# Altium PCB 2440PCBV8.PcbDoc (part 1 of 4)
Units mm, origin at the board's own origin, x right, y up, seen from the top; angles counter-clockwise.
Board outline 100.55 x 165.78 mm, 6 copper layers (Top Layer, GND1, SIG1, VCC, GND2, Bottom Layer), stack 1.803 mm thick; 257 components, 255 nets, 1164 pads, 733 vias.
Unrouted connection lines stored in the file: 55.
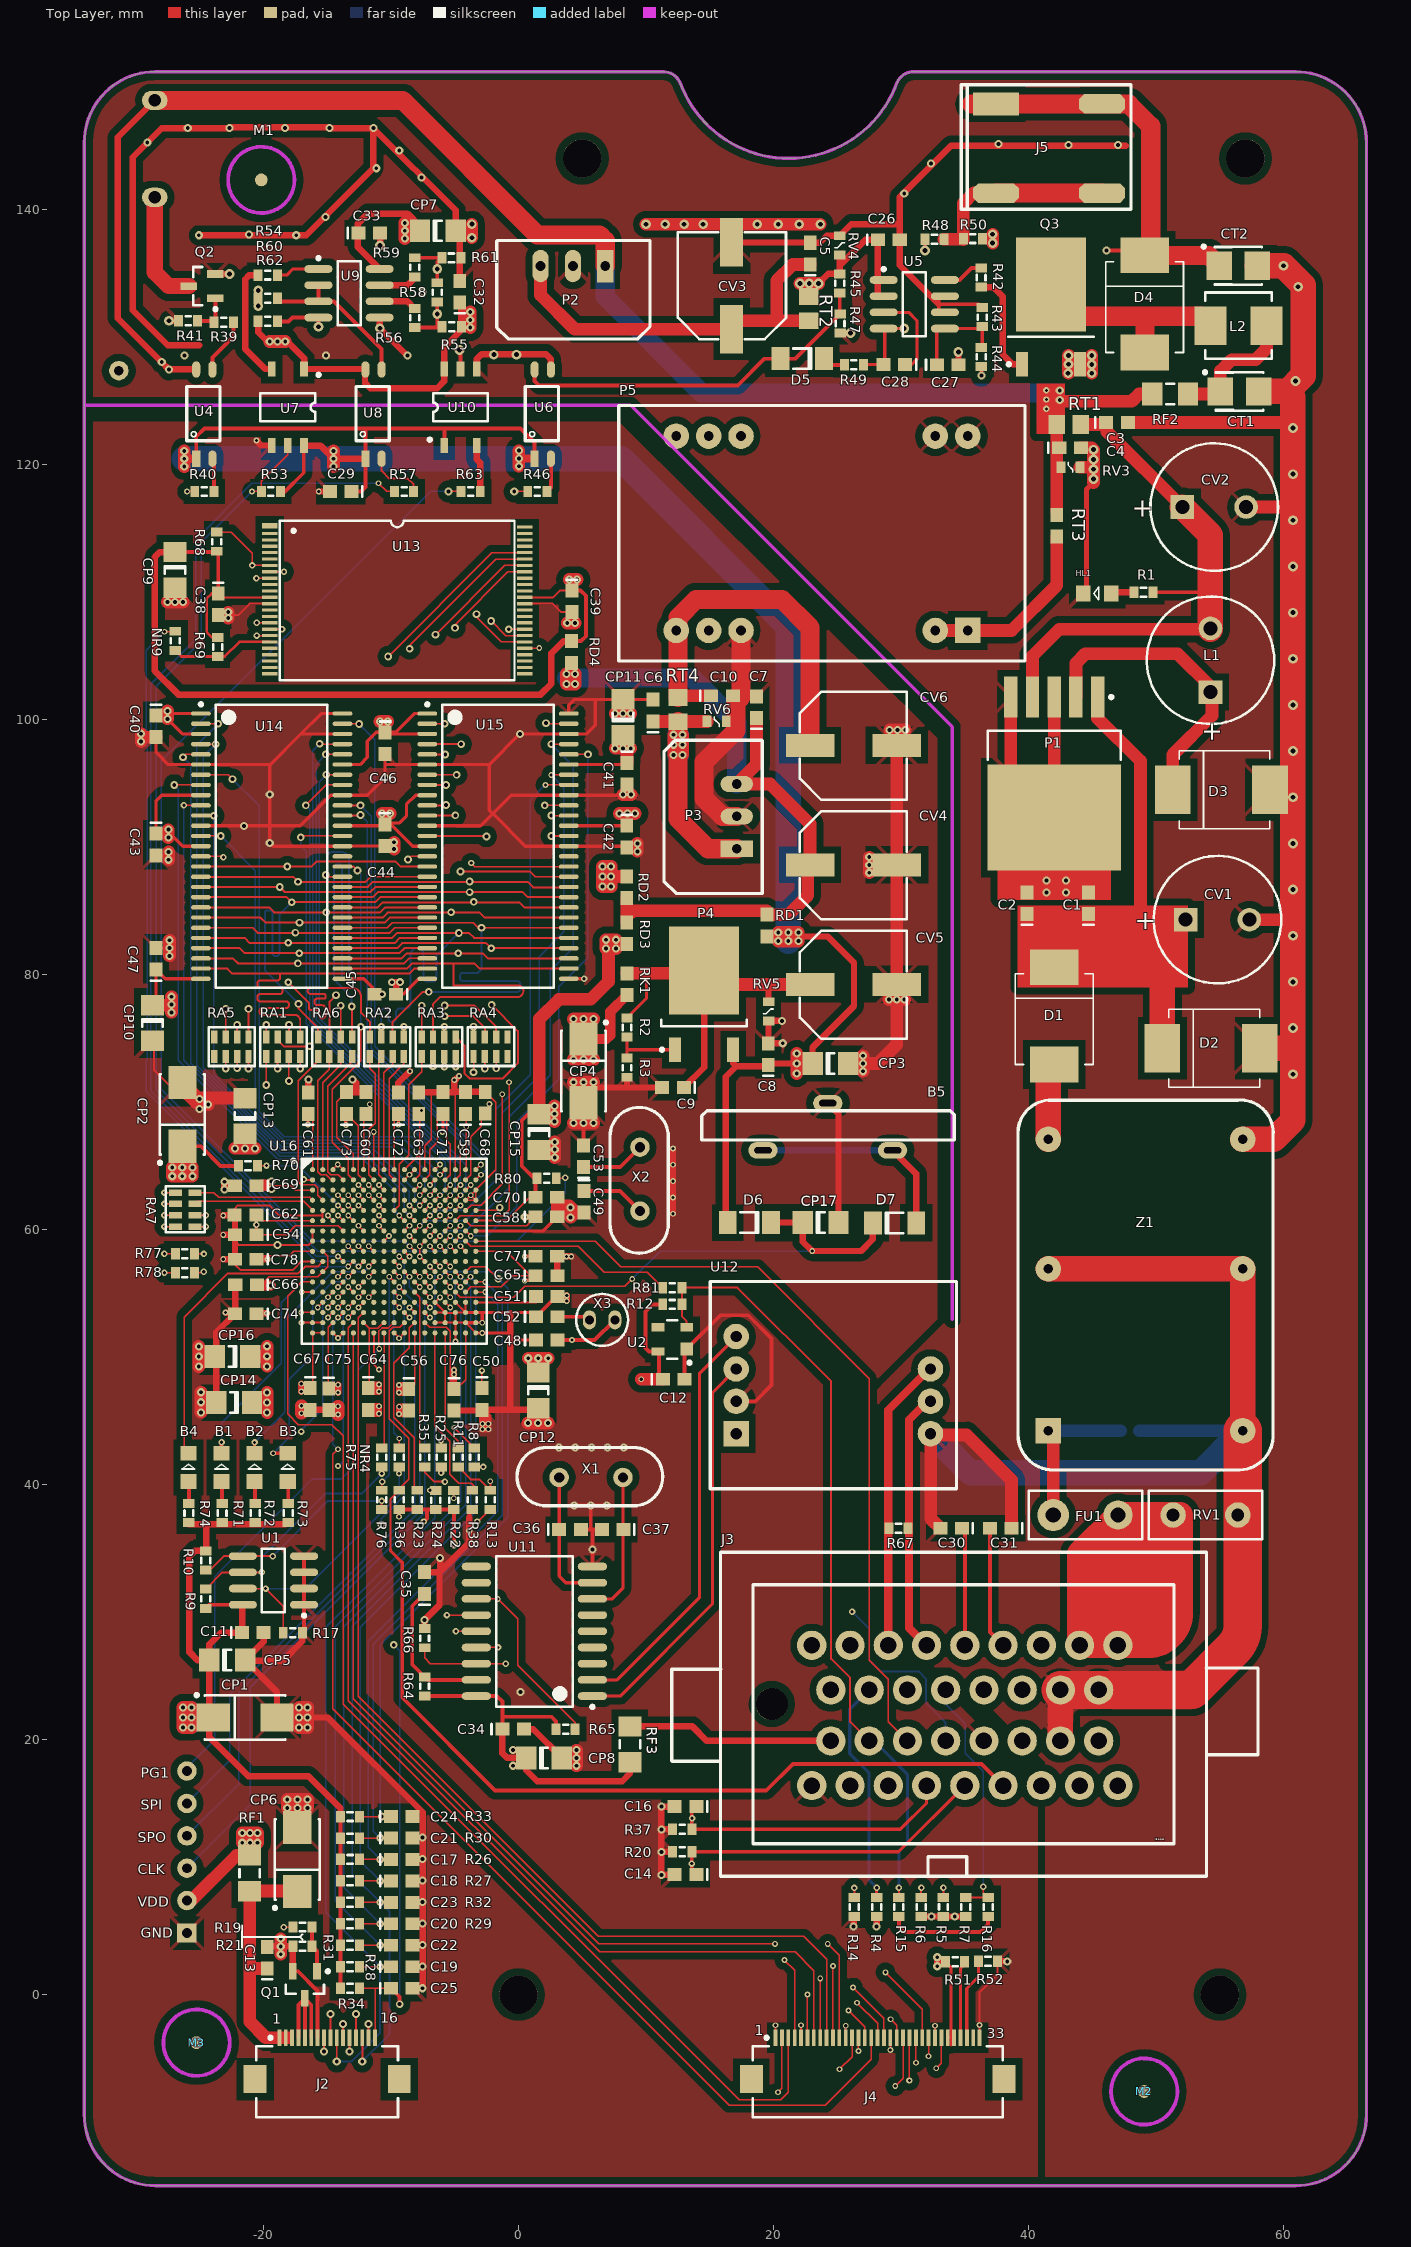
[diagram p0: Top Layer view]
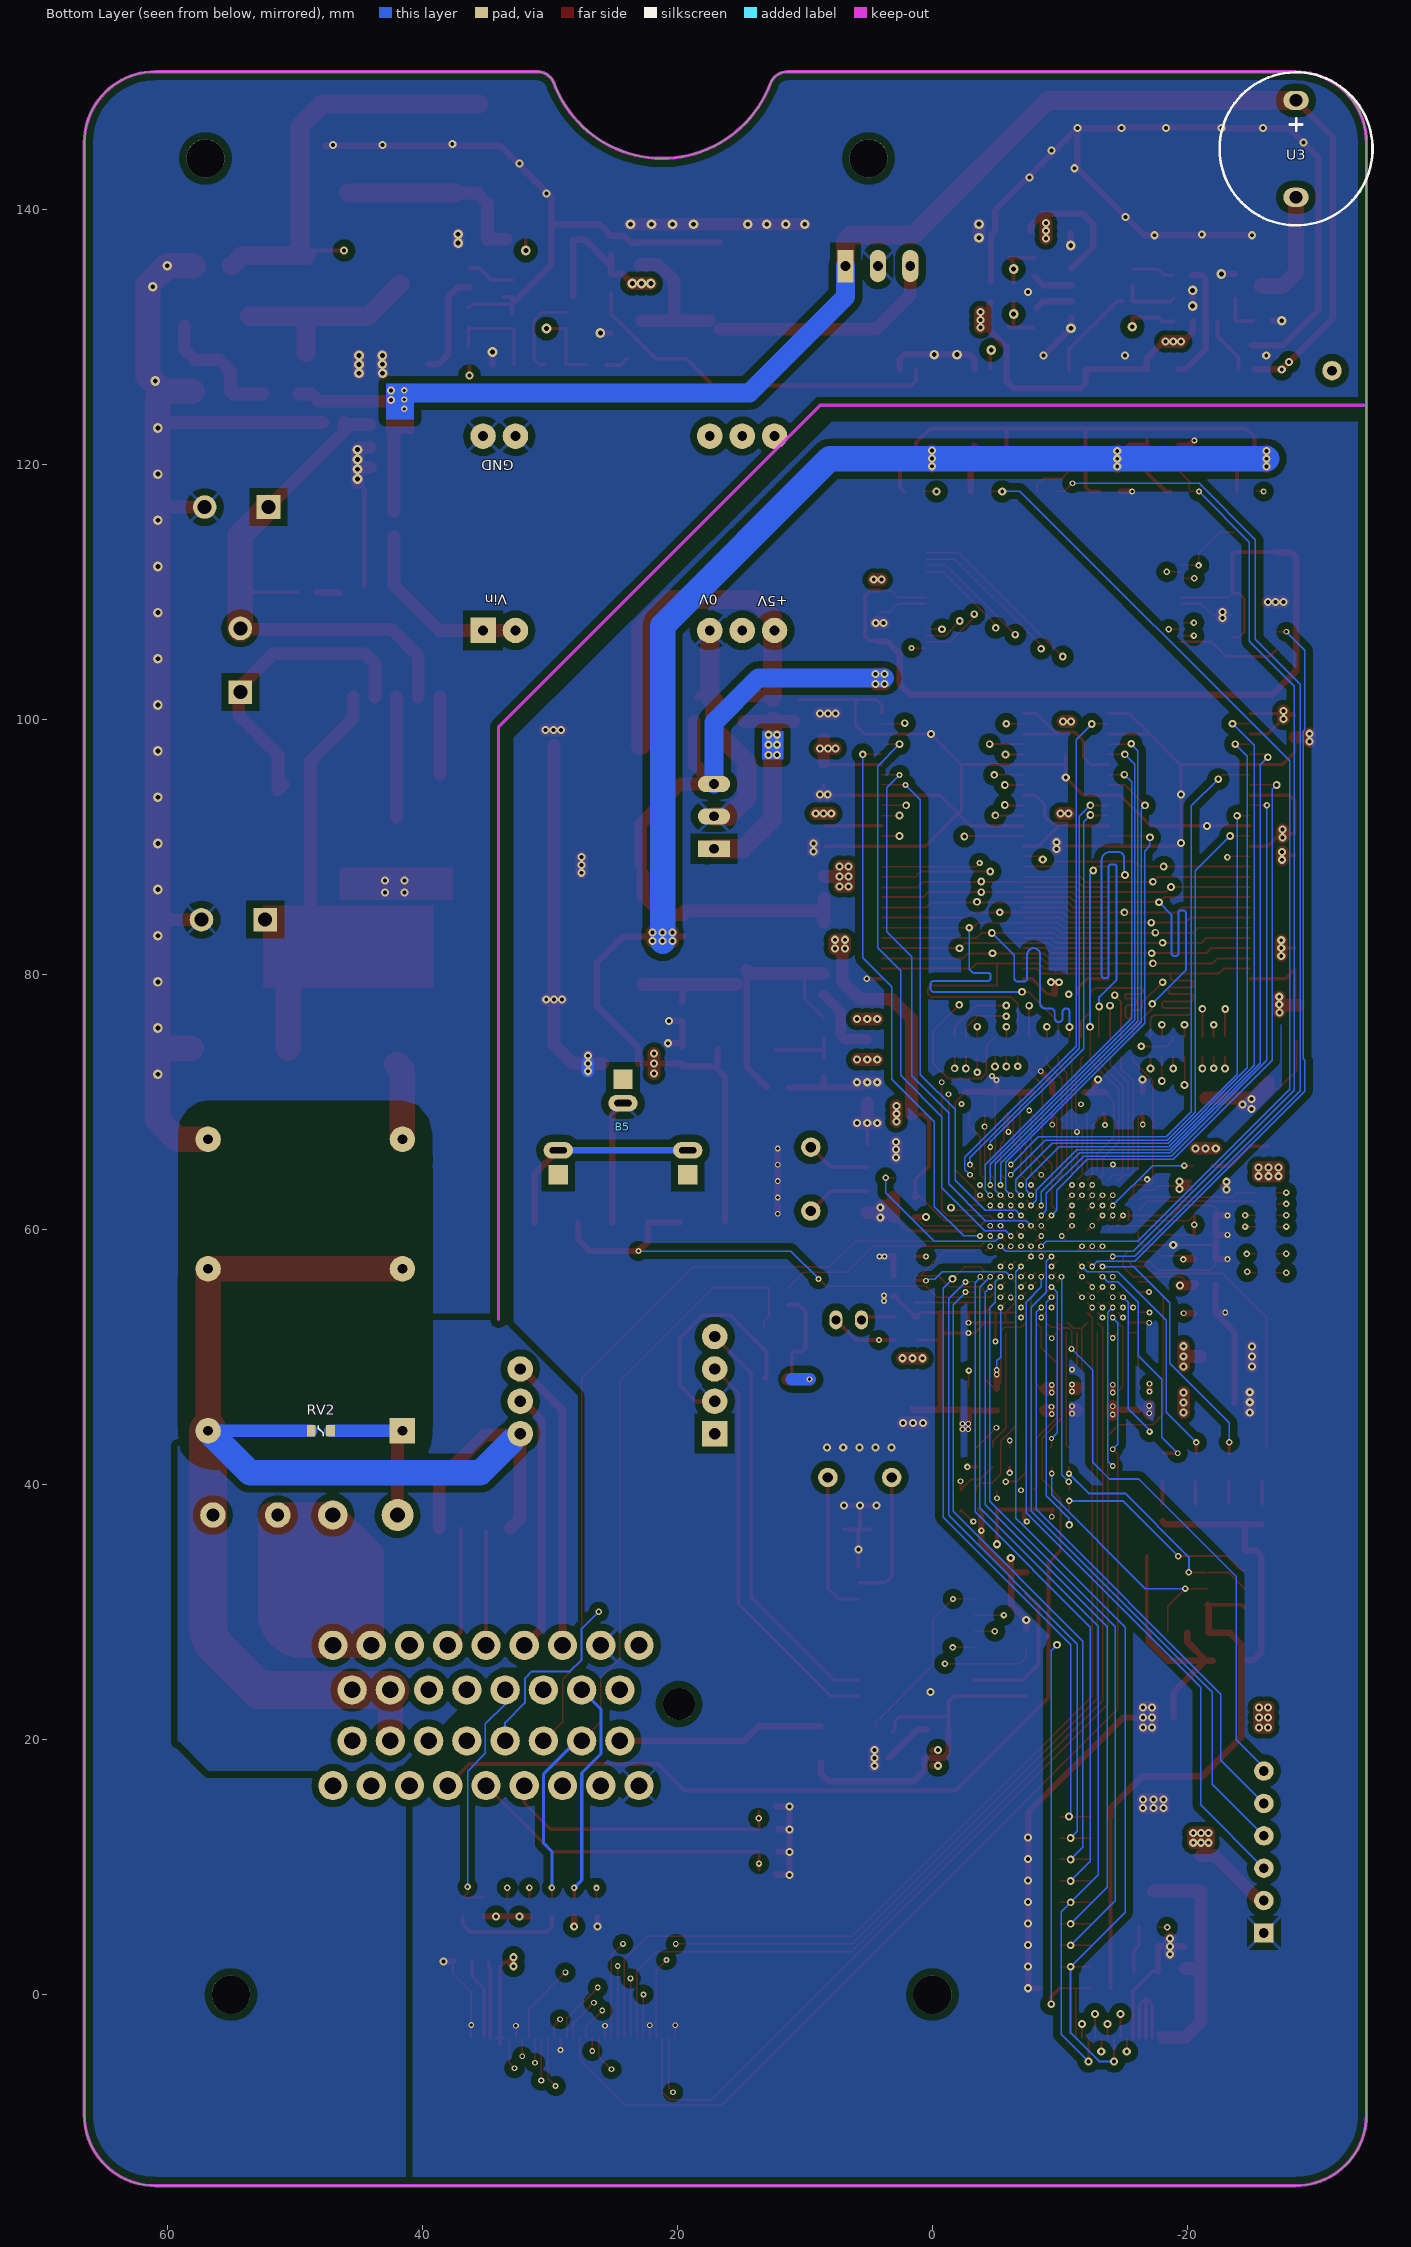
[diagram p1: Bottom Layer view, seen from below]
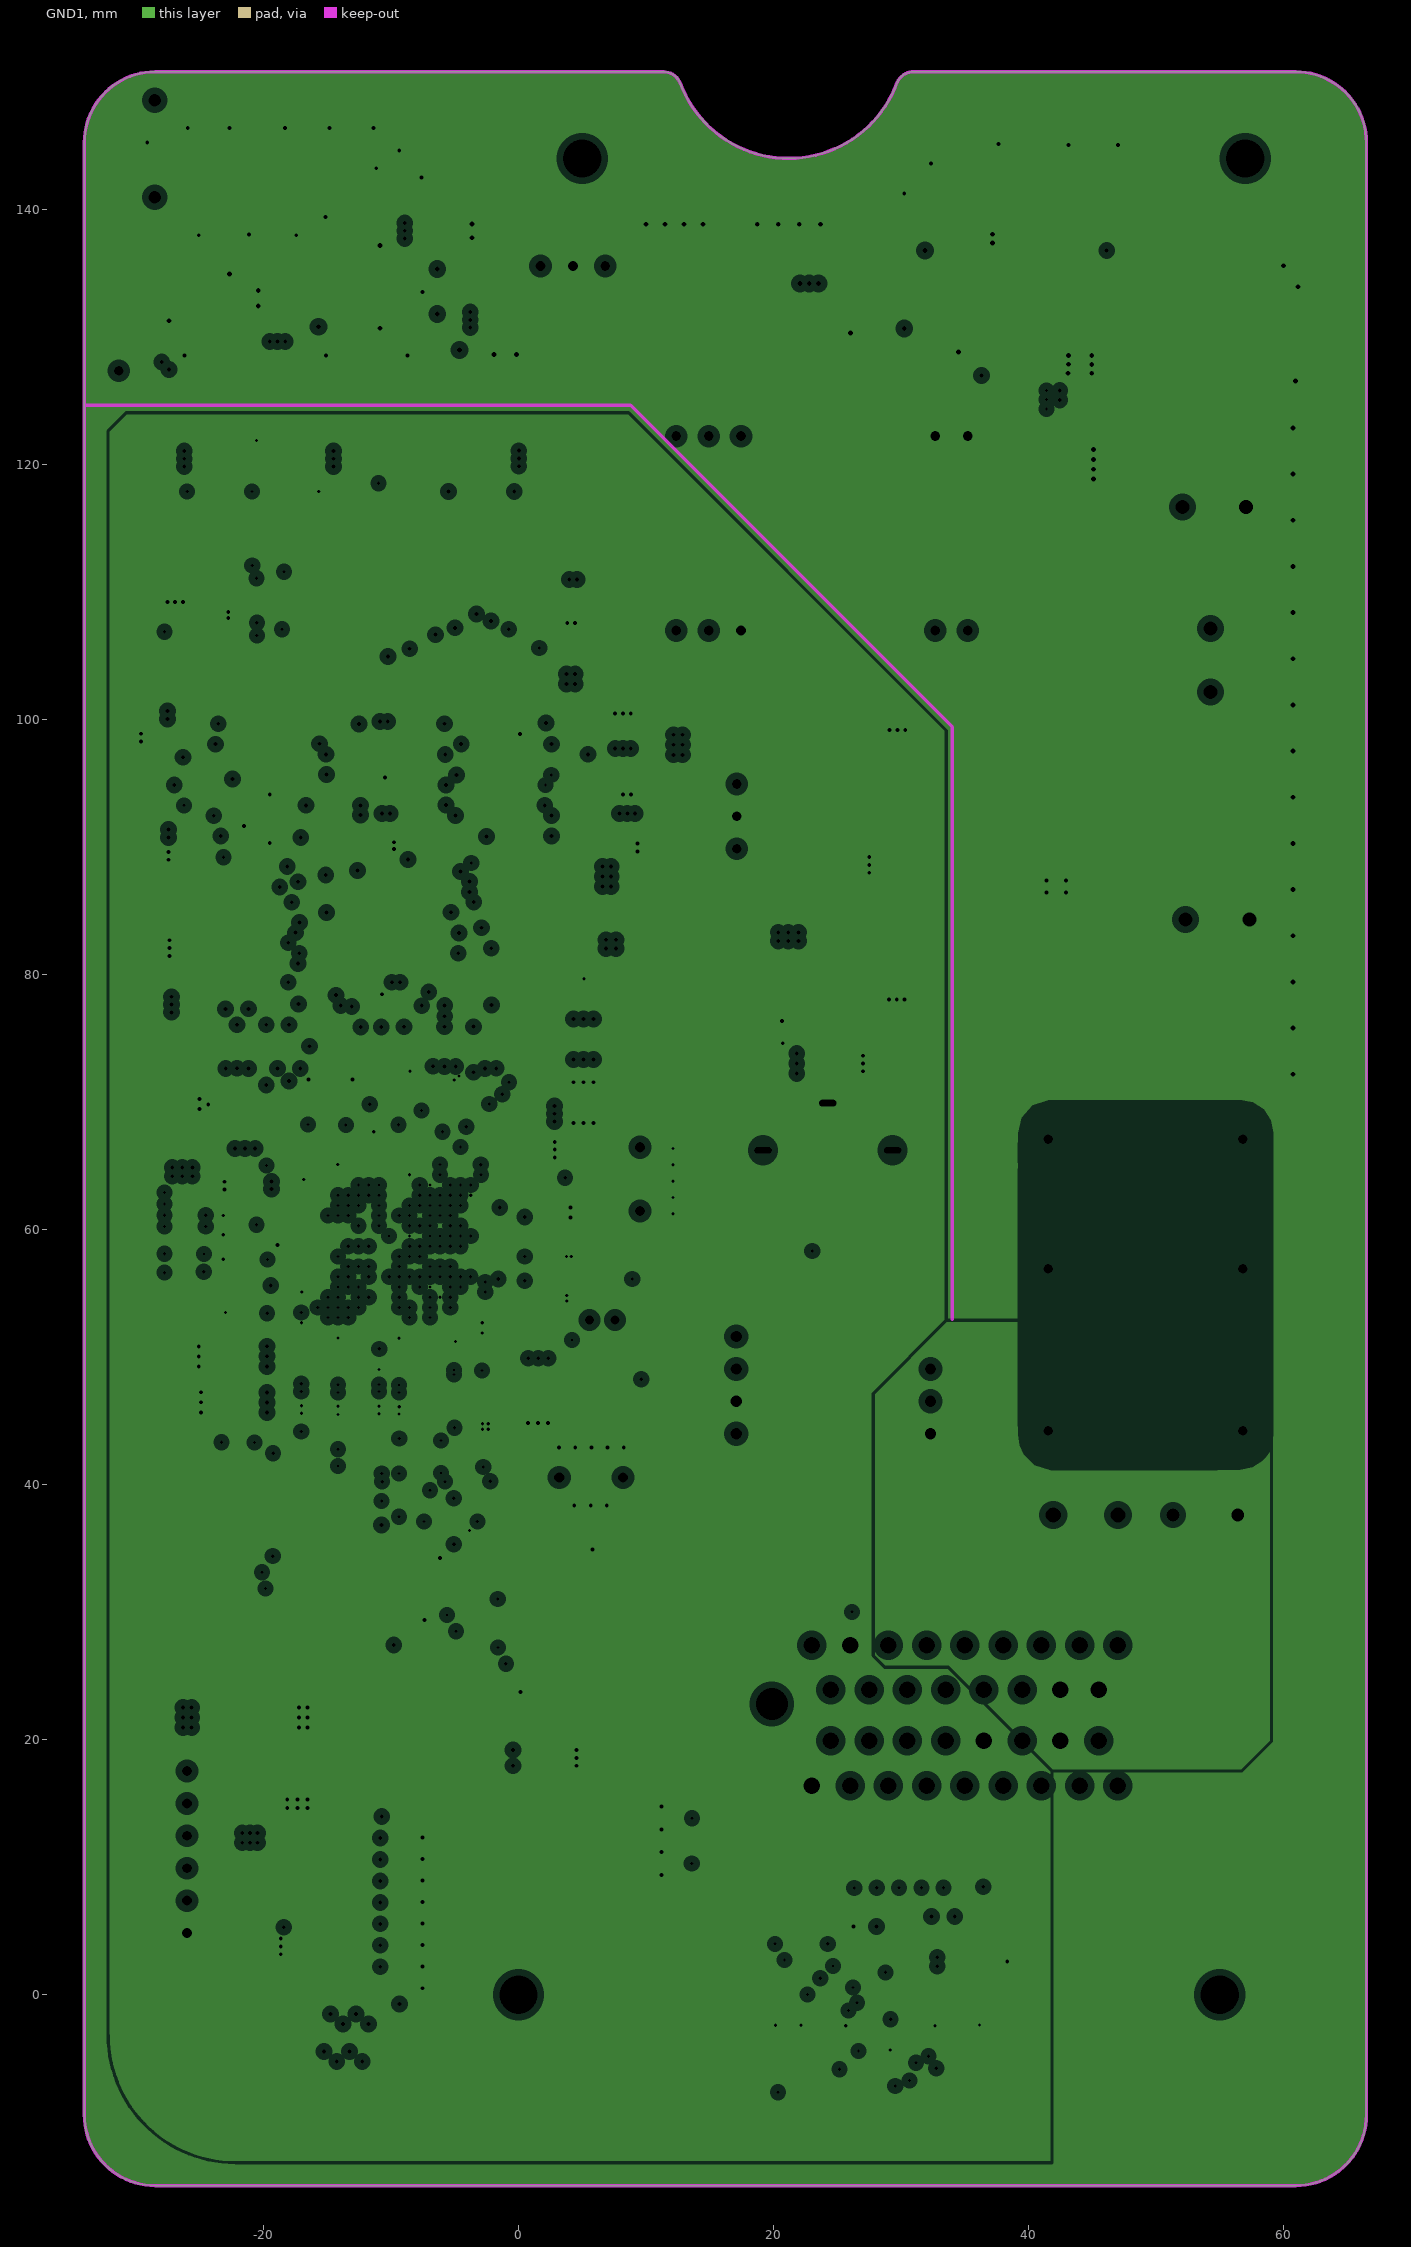
[diagram p2: GND1, clearances drawn from the general rule]
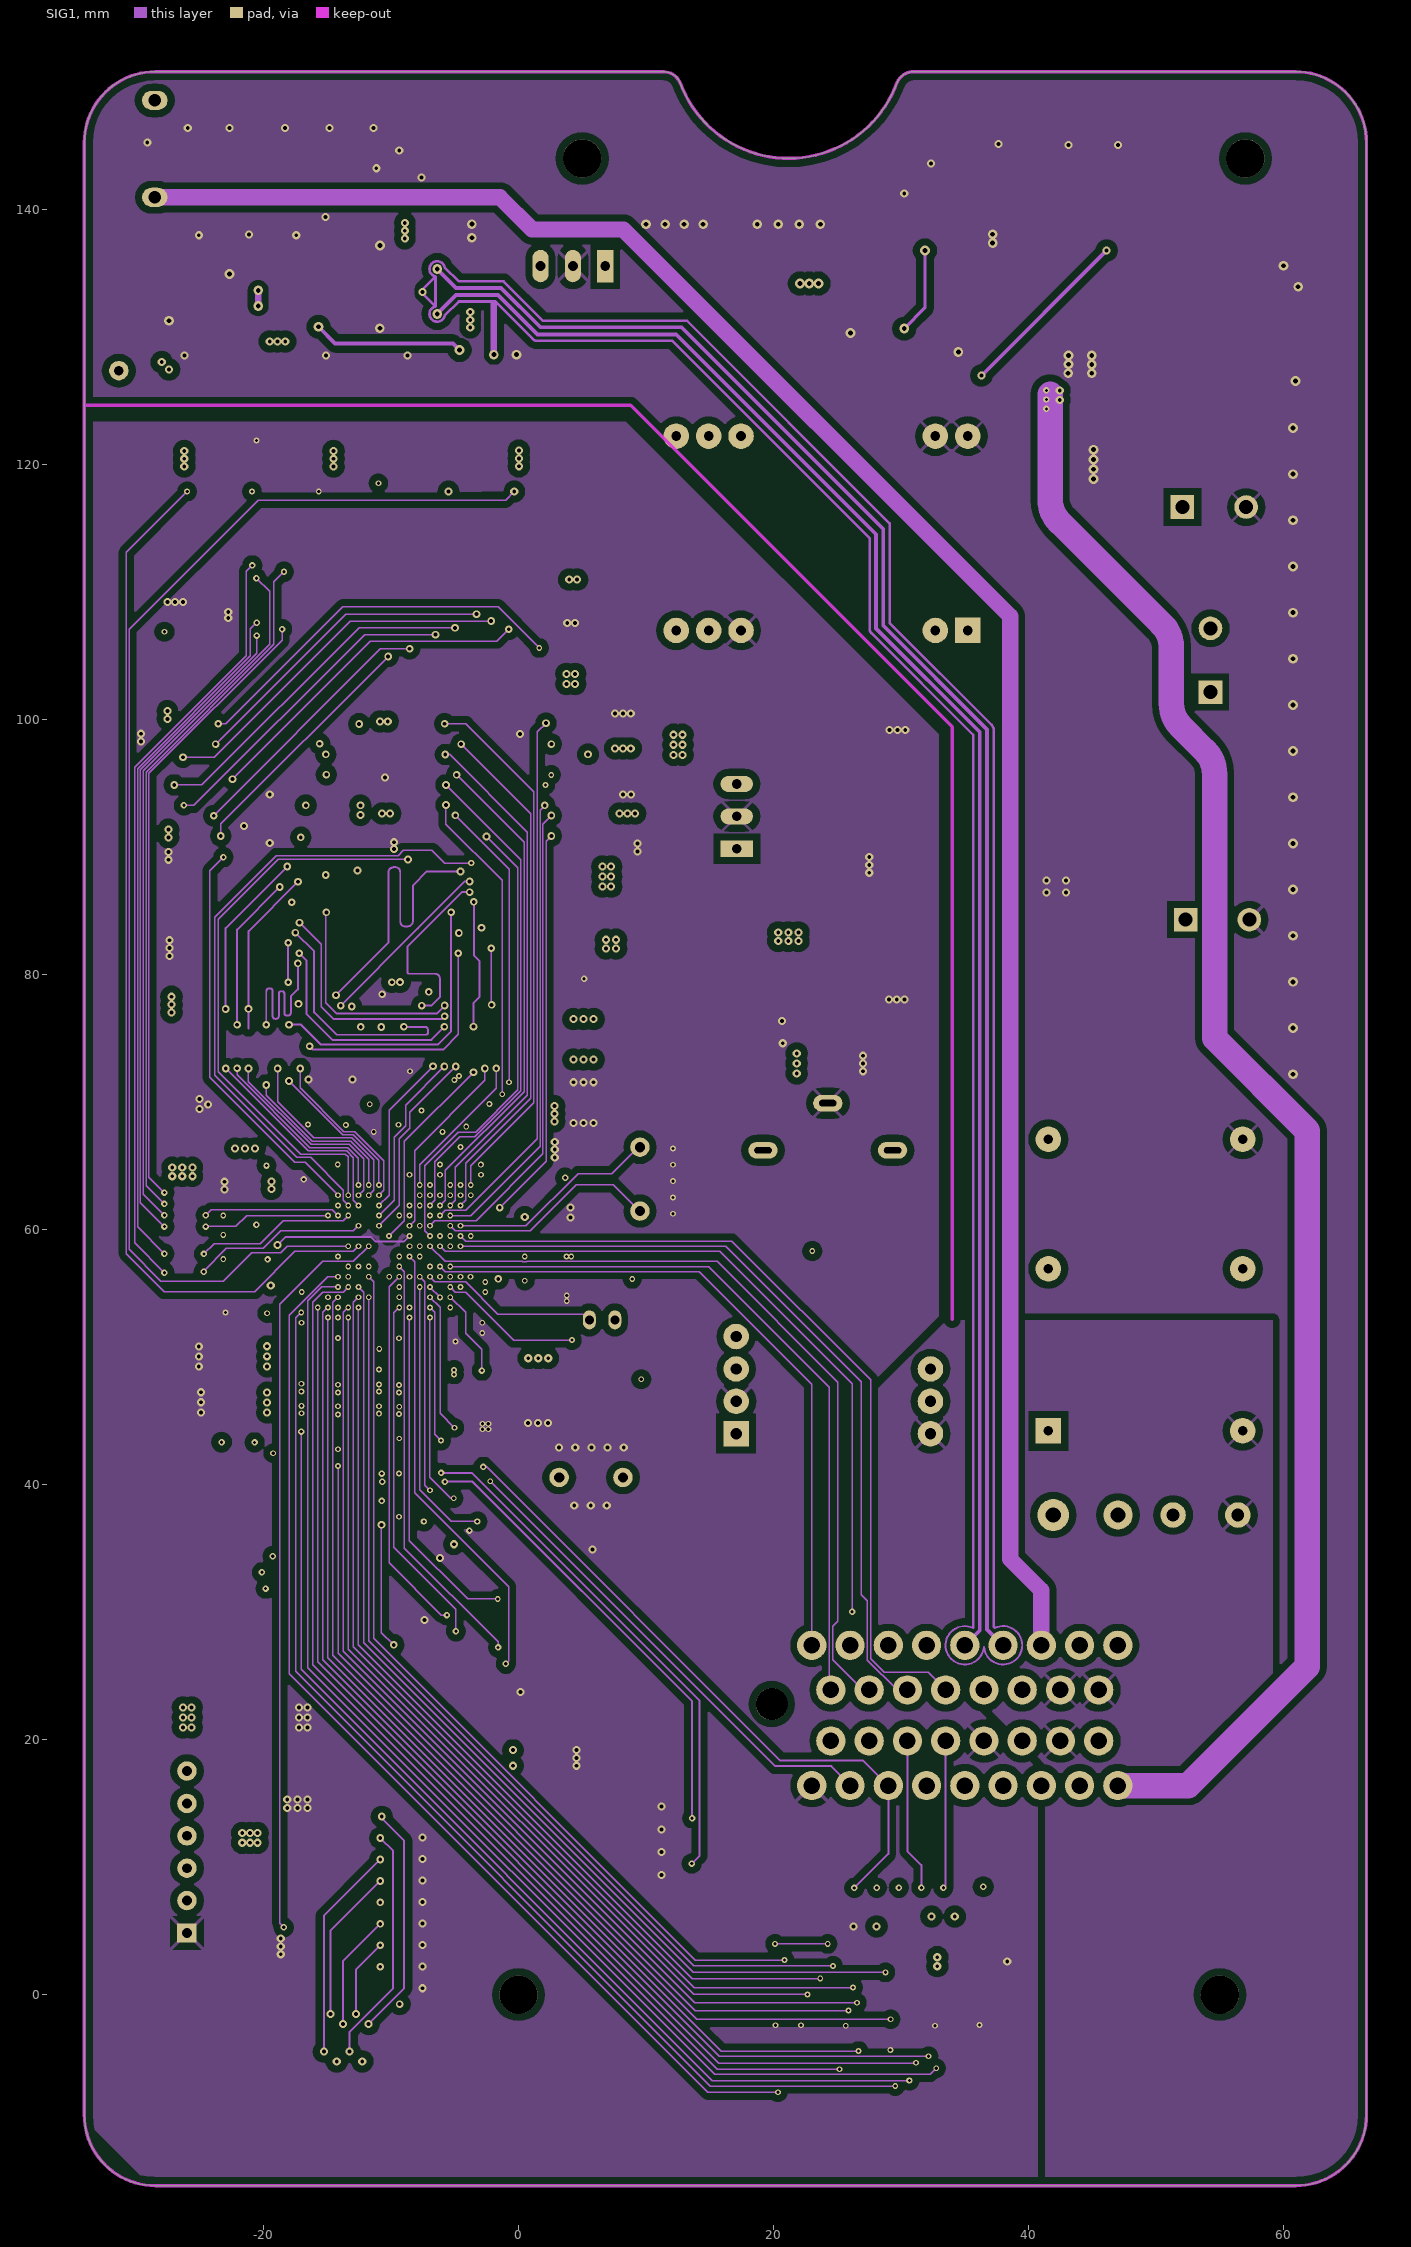
[diagram p3: SIG1]